# KiCad board chromogram.kicad_pcb
title: ClockFOUR; company: WyoLum; note: www.wyolum.com; note: David Pincus
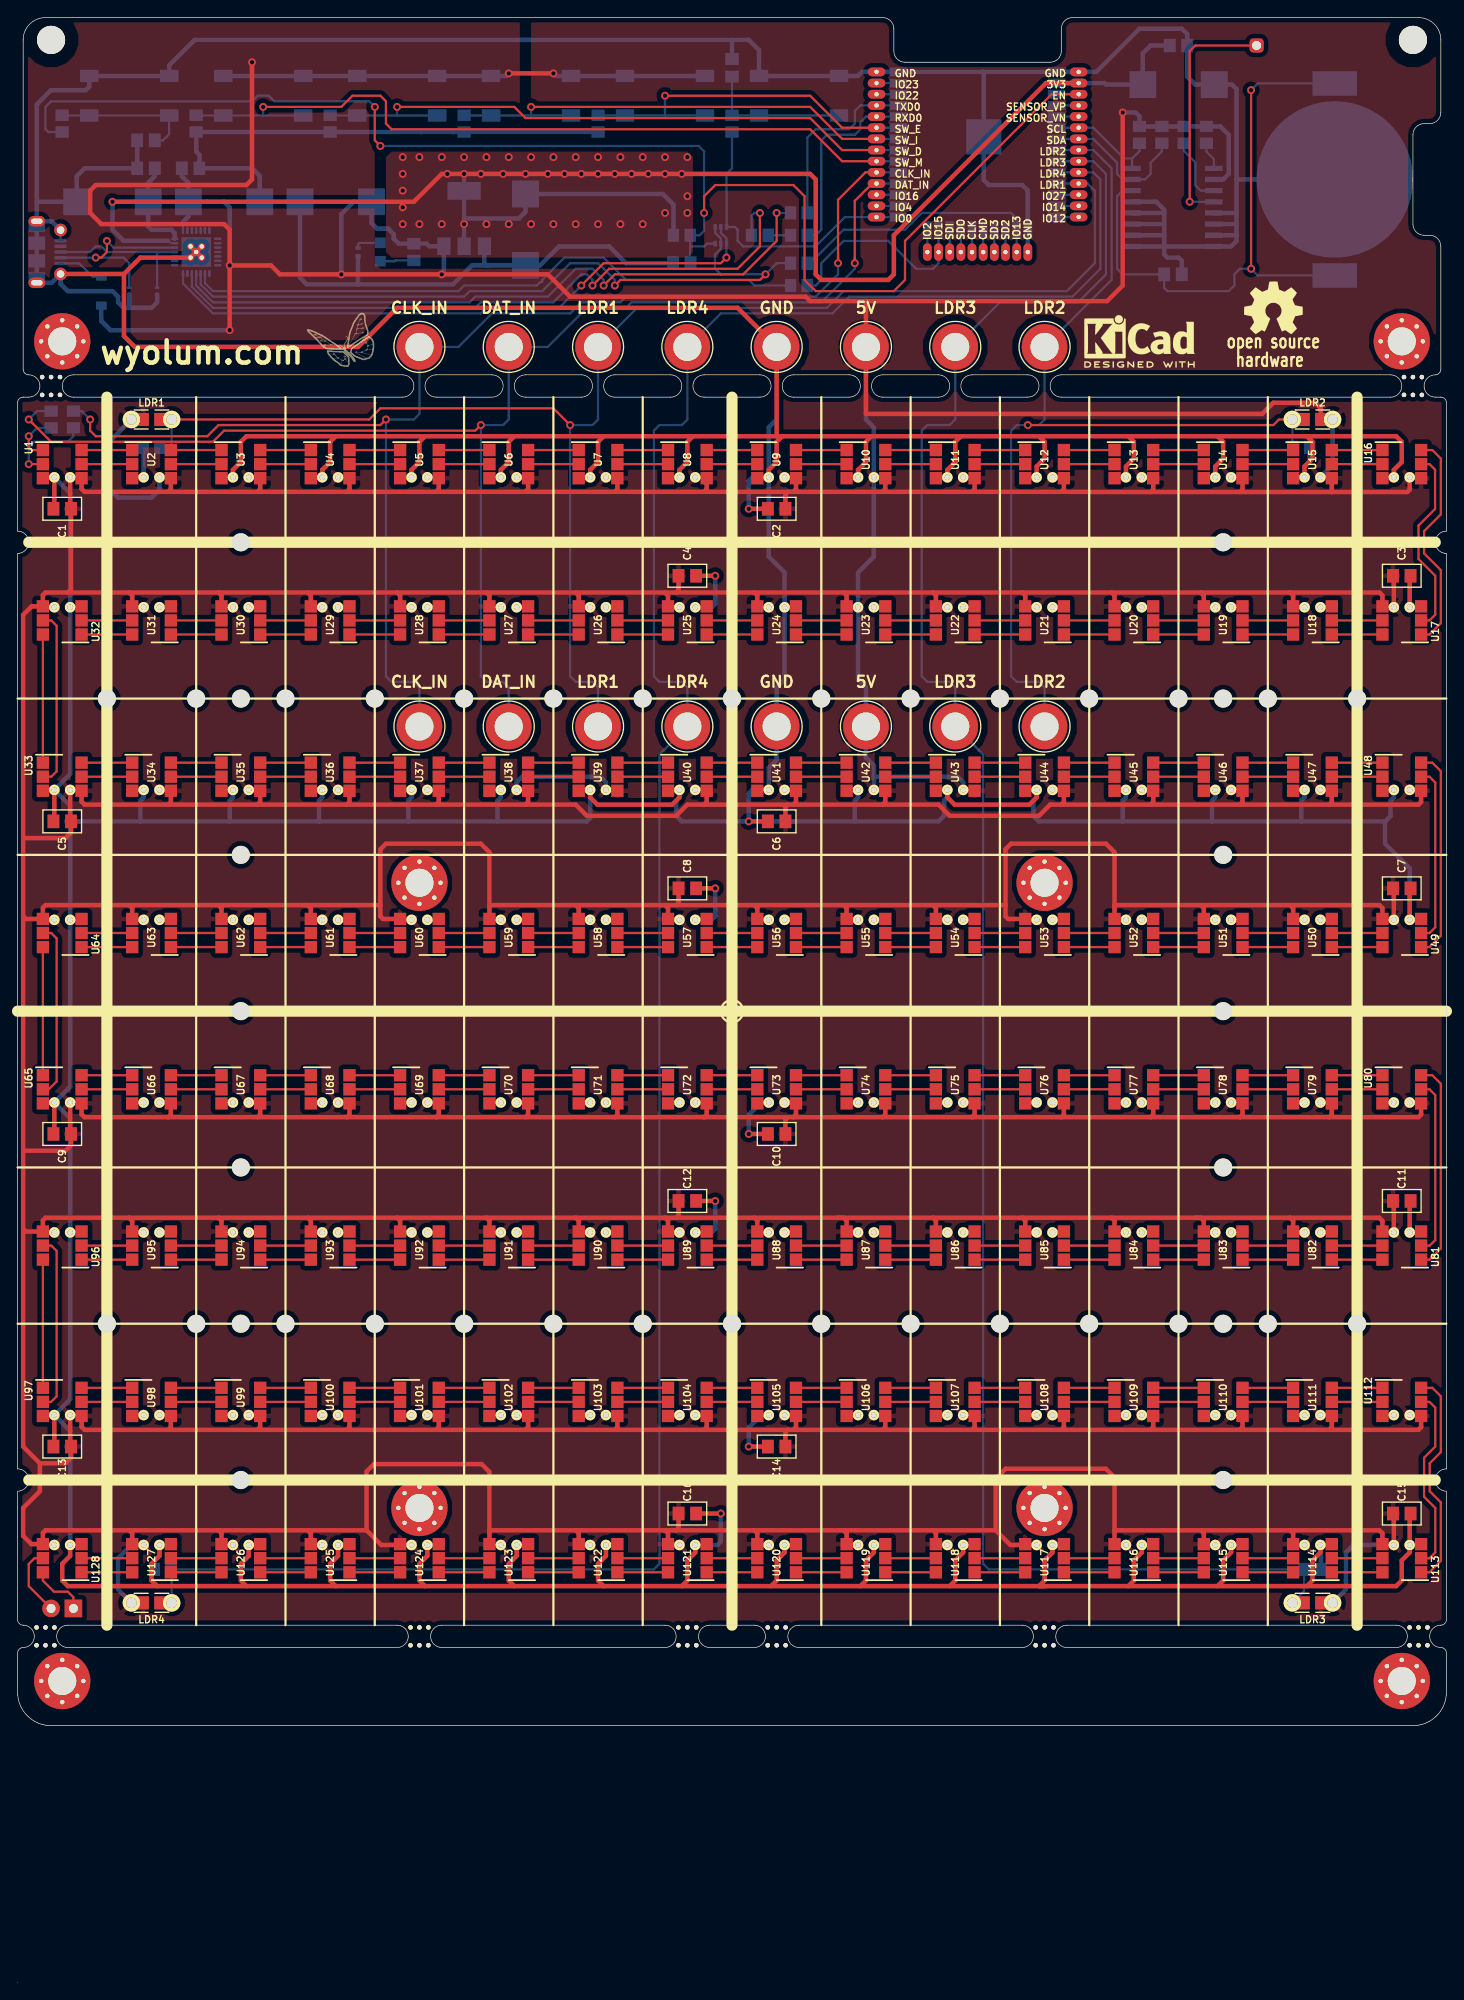
[diagram p0: board, top side]
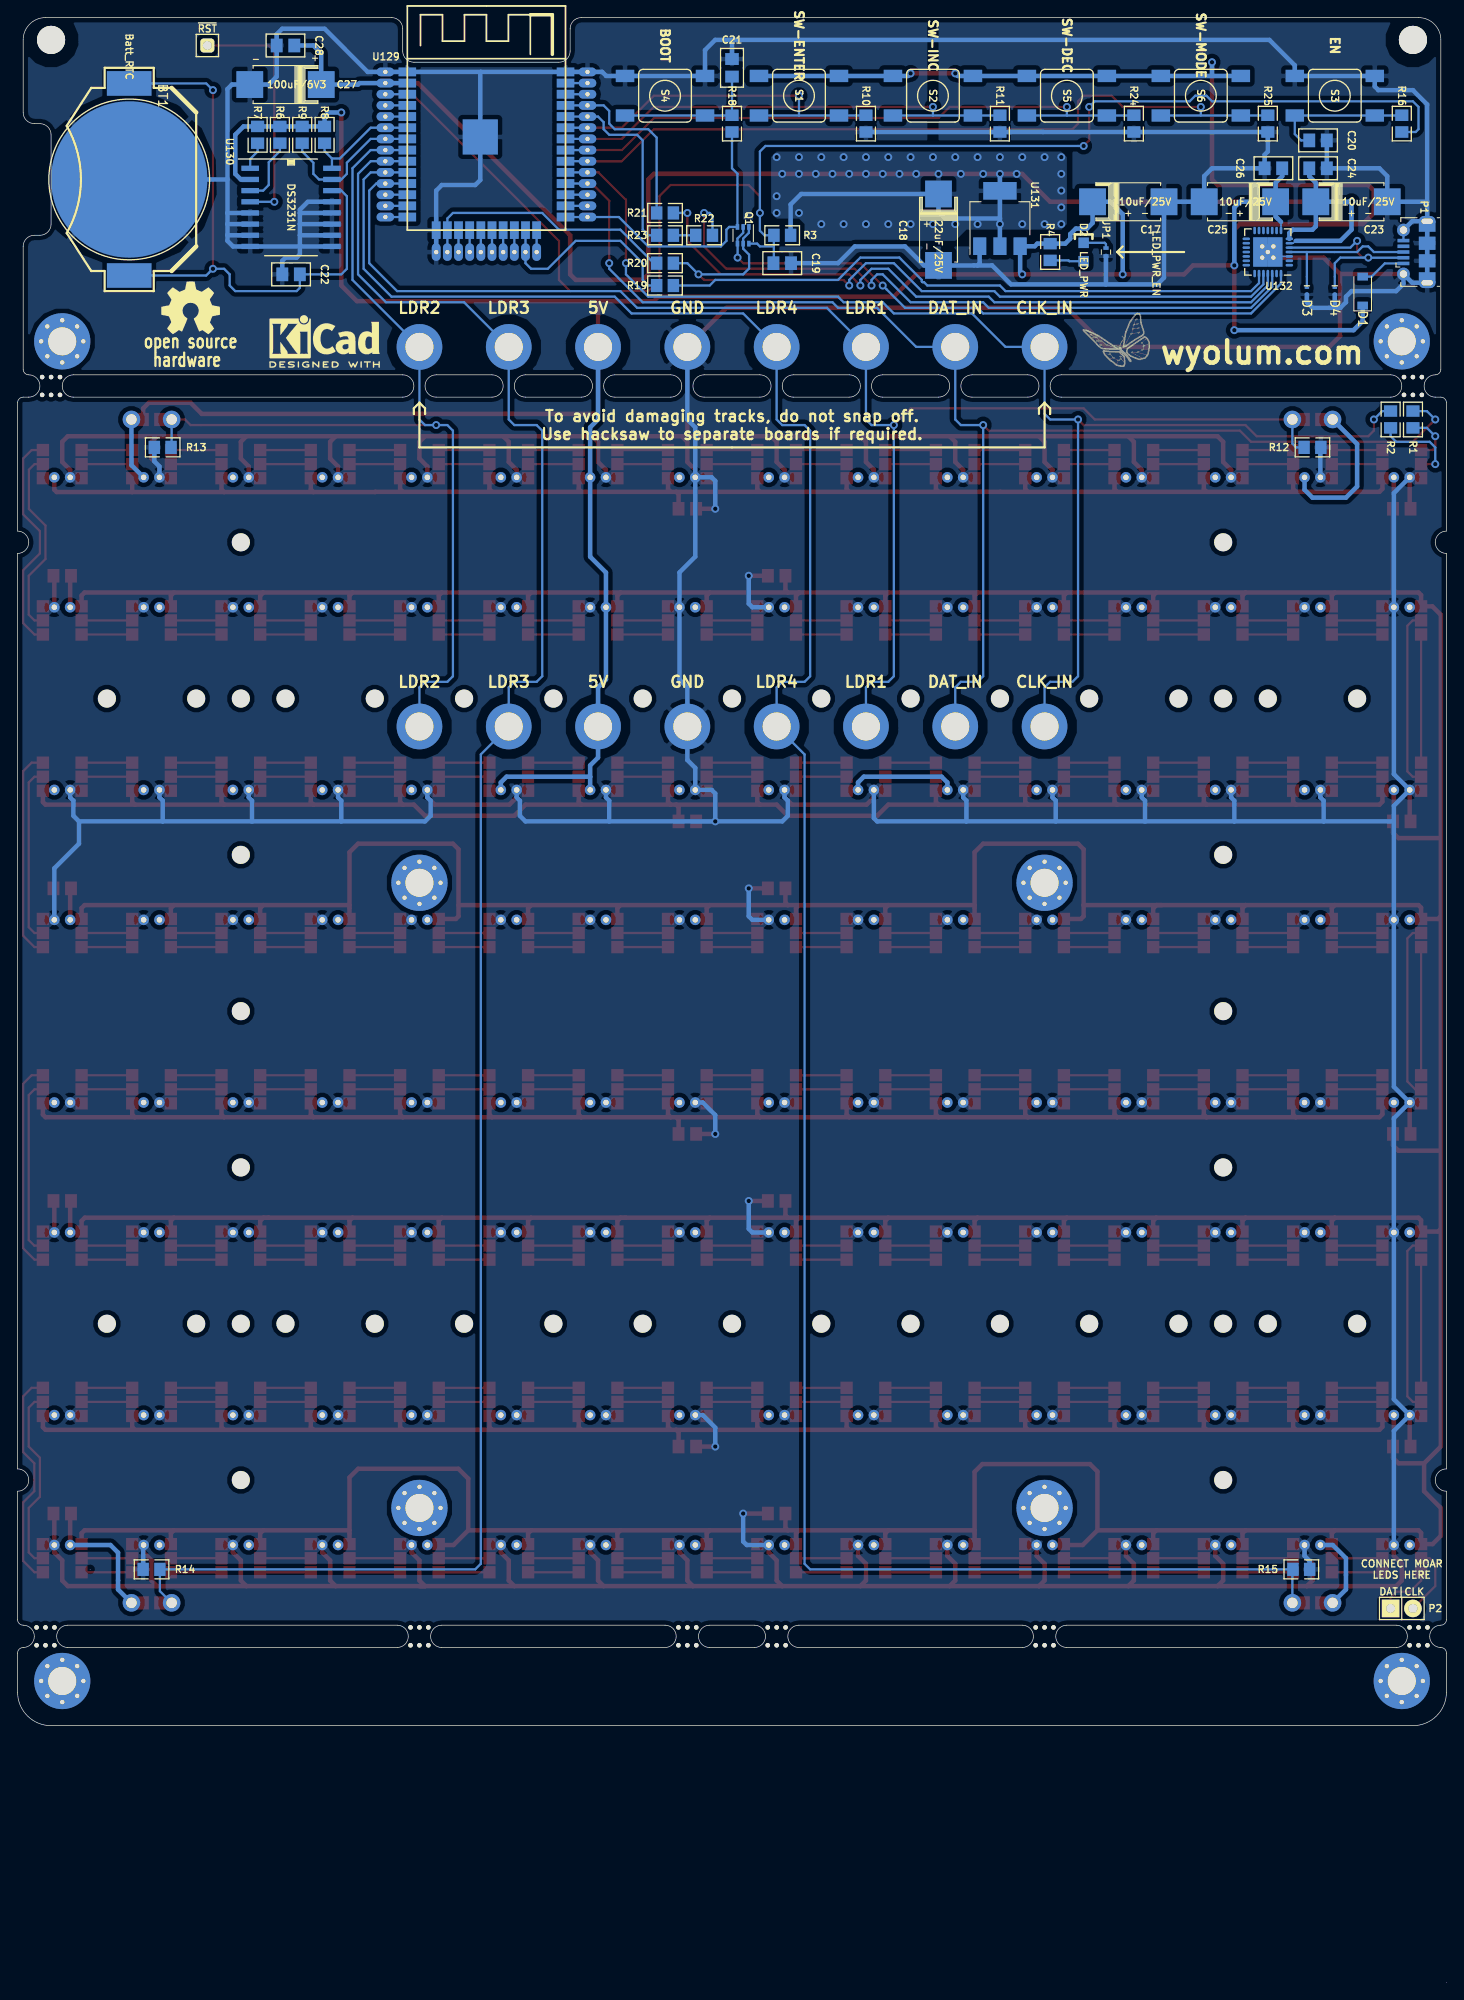
[diagram p1: board, bottom side, seen from below]

Outline 162.56 x 223.52 mm; copper layers: Top, Bottom. Coordinates in mm from the lower left corner of the outline.
Outline path: 0,179.7 arc(0.19,180.15) 0.63,180.34 1.27,180.34 arc(2.54,181.61) 1.27,182.88 arc(0.82,183.07) 0.63,183.51 0.63,220.98 arc(1.38,222.78) 3.18,223.52 98.43,223.52 arc(99.32,223.15) 99.7,222.25 99.7,219.71 arc(100.07,218.81) 100.97,218.44 117.47,218.44 arc(118.37,218.81) 118.75,219.71 118.75,222.25 arc(119.12,223.15) 120.02,223.52 159.39,223.52 arc(161.18,222.78) 161.93,220.98 161.93,212.72 arc(161.55,211.83) 160.66,211.45 160.02,211.45 arc(159.12,211.08) 158.75,210.19 158.75,200.02 arc(159.12,199.13) 160.02,198.75 160.66,198.75 arc(161.55,198.38) 161.93,197.49 161.93,183.51 arc(161.74,183.07) 161.29,182.88 arc(160.02,181.61) 161.29,180.34 161.93,180.34 arc(162.37,180.15) 162.56,179.7 162.56,165.1 arc(161.29,163.83) 162.56,162.56 162.56,58.42 arc(161.29,57.15) 162.56,55.88 162.56,41.28 arc(162.37,40.83) 161.93,40.64 arc(160.66,39.37) 161.93,38.1 arc(162.37,37.91) 162.56,37.47 162.56,33.02 arc(161.44,30.33) 158.75,29.21 3.81,29.21 arc(1.12,30.33) 0,33.02 0,37.47 arc(0.19,37.91) 0.63,38.1 arc(1.91,39.37) 0.63,40.64 arc(0.19,40.83) 0,41.28 0,55.88 arc(1.27,57.15) 0,58.42 0,162.56 arc(1.27,163.83) 0,165.1 0,179.7 ; 5.72,40.64 43.18,40.64 arc(44.45,39.37) 43.18,38.1 5.72,38.1 arc(4.45,39.37) 5.72,40.64 ; 6.35,182.88 43.82,182.88 arc(45.09,181.61) 43.82,180.34 6.35,180.34 arc(5.08,181.61) 6.35,182.88 ; 47.63,182.88 53.98,182.88 arc(55.24,181.61) 53.98,180.34 47.63,180.34 arc(46.35,181.61) 47.63,182.88 ; 48.26,40.64 73.66,40.64 arc(74.93,39.37) 73.66,38.1 48.26,38.1 arc(46.99,39.37) 48.26,40.64 ; 57.79,182.88 64.13,182.88 arc(65.41,181.61) 64.13,180.34 57.79,180.34 arc(56.52,181.61) 57.79,182.88 ; 67.94,182.88 74.29,182.88 arc(75.56,181.61) 74.29,180.34 67.94,180.34 arc(66.68,181.61) 67.94,182.88 ; 78.11,182.88 84.46,182.88 arc(85.72,181.61) 84.46,180.34 78.11,180.34 arc(76.84,181.61) 78.11,182.88 ; 78.74,40.64 83.82,40.64 arc(85.09,39.37) 83.82,38.1 78.74,38.1 arc(77.47,39.37) 78.74,40.64 ; 88.27,182.88 94.62,182.88 arc(95.89,181.61) 94.62,180.34 88.27,180.34 arc(87,181.61) 88.27,182.88 ; 88.9,40.64 114.3,40.64 arc(115.57,39.37) 114.3,38.1 88.9,38.1 arc(87.63,39.37) 88.9,40.64 ; 98.43,180.34 arc(97.16,181.61) 98.43,182.88 104.78,182.88 arc(106.05,181.61) 104.78,180.34 98.43,180.34 ; 108.59,182.88 114.94,182.88 arc(116.21,181.61) 114.94,180.34 108.59,180.34 arc(107.31,181.61) 108.59,182.88 ; 118.75,180.34 arc(117.47,181.61) 118.75,182.88 156.21,182.88 arc(157.48,181.61) 156.21,180.34 118.75,180.34 ; 119.38,38.1 arc(118.11,39.37) 119.38,40.64 156.84,40.64 arc(158.12,39.37) 156.84,38.1 119.38,38.1

## Placement (name value [footprint] x y rotation side)
BITE1  Mouse_Bite  [mouse-bite-2.54mm-slot_OSH]  3.81 181.61 0 top
BITE2  Mouse_Bite  [mouse-bite-2.54mm-slot_OSH]  158.75 181.61 0 top
BITE3  Mouse_Bite  [mouse-bite-2.54mm-slot_OSH]  3.18 39.37 0 top
BITE4  Mouse_Bite  [mouse-bite-2.54mm-slot_OSH]  45.72 39.37 0 top
BITE5  Mouse_Bite  [mouse-bite-2.54mm-slot_OSH]  76.2 39.37 0 top
BITE6  Mouse_Bite  [mouse-bite-2.54mm-slot_OSH]  86.36 39.37 0 top
BITE7  Mouse_Bite  [mouse-bite-2.54mm-slot_OSH]  116.84 39.37 0 top
BITE8  Mouse_Bite  [mouse-bite-2.54mm-slot_OSH]  159.39 39.37 0 top
BT1  Batt_RTC  [CR2032_SMD2]  149.86 205.1 90 bottom
C1  100nF  [c_0805]  5.08 167.64 90 top
C2  100nF  [c_0805]  86.36 167.64 90 top
C3  100nF  [c_0805]  157.48 160.02 270 top
C4  100nF  [c_0805]  76.2 160.02 270 top
C5  100nF  [c_0805]  5.08 132.08 90 top
C6  100nF  [c_0805]  86.36 132.08 90 top
C7  100nF  [c_0805]  157.48 124.46 270 top
C8  100nF  [c_0805]  76.2 124.46 270 top
C9  100nF  [c_0805]  5.08 96.52 90 top
C10  100nF  [c_0805]  86.36 96.52 90 top
C11  100nF  [c_0805]  157.48 88.9 270 top
C12  100nF  [c_0805]  76.2 88.9 270 top
C13  100nF  [c_0805]  5.08 60.96 90 top
C14  100nF  [c_0805]  86.36 60.96 90 top
C15  100nF  [c_0805]  157.48 53.34 270 top
C16  100nF  [c_0805]  76.2 53.34 270 top
C17  10uF/25V  [c_2917]  36.2 202.56 0 bottom
C18  22uF/25V  [c_2917]  57.79 199.39 90 bottom
C19  1nF  [c_0805]  75.56 195.58 90 bottom
C20  1nF  [c_0805]  14.6 209.55 90 bottom
C21  1nF  [c_0805]  81.28 217.81 0 bottom
C22  100nF  [c_0805]  131.45 194.31 270 bottom
C23  10uF/25V  [c_2917]  10.8 202.56 0 bottom
C24  100nF  [c_0805]  14.6 206.38 90 bottom
C25  10uF/25V  [c_2917]  23.49 202.56 180 bottom
C26  100nF  [c_0805]  19.68 206.38 270 bottom
C27  100uF/6V3  [c_2917]  132.08 215.9 180 bottom
C28  1uF/10V  [c_0805]  132.08 220.34 270 bottom
D1  1N5819  [D_SOD-123]  9.52 192.4 90 bottom
D2  LED_PWR  [LED-0805]  41.27 196.85 90 bottom
D3  VESD05A1B  [D_LLP1006-2L]  15.88 192.4 90 bottom
D4  VESD05A1B  [D_LLP1006-2L]  12.7 192.4 90 bottom
G1  LOGO_WL  [Logo-WL3]  42.54 190.5 180 bottom
G2  KiCad  [KiCad-Logo2_6mm_SilkScreen]  127.64 186.69 180 bottom
G3  OSHW  [OSHW_6mm]  142.88 190.5 180 bottom
G4  LOGO_WL  [Logo-WL3]  31.75 190.5 0 top
G5  KiCad  [KiCad-Logo2_6mm_SilkScreen]  127.64 186.69 0 top
G6  OSHW  [OSHW_6mm]  142.88 190.5 0 top
HB1  hole_baffle  [hole_baffle_2mm]  10.16 146.05 0 top
HB2  hole_baffle  [hole_baffle_2mm]  20.32 146.05 0 top
HB3  hole_baffle  [hole_baffle_2mm]  30.48 146.05 0 top
HB4  hole_baffle  [hole_baffle_2mm]  40.64 146.05 0 top
HB5  hole_baffle  [hole_baffle_2mm]  50.8 146.05 0 top
HB6  hole_baffle  [hole_baffle_2mm]  60.96 146.05 0 top
HB7  hole_baffle  [hole_baffle_2mm]  71.12 146.05 0 top
HB8  hole_baffle  [hole_baffle_2mm]  81.28 146.05 0 top
HB9  hole_baffle  [hole_baffle_2mm]  91.44 146.05 0 top
HB10  hole_baffle  [hole_baffle_2mm]  101.6 146.05 0 top
HB11  hole_baffle  [hole_baffle_2mm]  111.76 146.05 0 top
HB12  hole_baffle  [hole_baffle_2mm]  121.92 146.05 0 top
HB13  hole_baffle  [hole_baffle_2mm]  132.08 146.05 0 top
HB14  hole_baffle  [hole_baffle_2mm]  142.24 146.05 0 top
HB15  hole_baffle  [hole_baffle_2mm]  152.4 146.05 0 top
HB16  hole_baffle  [hole_baffle_2mm]  10.16 74.93 0 top
HB17  hole_baffle  [hole_baffle_2mm]  20.32 74.93 0 top
HB18  hole_baffle  [hole_baffle_2mm]  30.48 74.93 0 top
HB19  hole_baffle  [hole_baffle_2mm]  40.64 74.93 0 top
HB20  hole_baffle  [hole_baffle_2mm]  50.8 74.93 0 top
HB21  hole_baffle  [hole_baffle_2mm]  60.96 74.93 0 top
HB22  hole_baffle  [hole_baffle_2mm]  71.12 74.93 0 top
HB23  hole_baffle  [hole_baffle_2mm]  81.28 74.93 0 top
HB24  hole_baffle  [hole_baffle_2mm]  91.44 74.93 0 top
HB25  hole_baffle  [hole_baffle_2mm]  101.6 74.93 0 top
HB26  hole_baffle  [hole_baffle_2mm]  111.76 74.93 0 top
HB27  hole_baffle  [hole_baffle_2mm]  121.92 74.93 0 top
HB28  hole_baffle  [hole_baffle_2mm]  132.08 74.93 0 top
HB29  hole_baffle  [hole_baffle_2mm]  142.24 74.93 0 top
HB30  hole_baffle  [hole_baffle_2mm]  152.4 74.93 0 top
HB31  hole_baffle  [hole_baffle_2mm]  25.4 163.83 0 top
HB32  hole_baffle  [hole_baffle_2mm]  25.4 146.05 0 top
HB33  hole_baffle  [hole_baffle_2mm]  25.4 128.27 0 top
HB34  hole_baffle  [hole_baffle_2mm]  25.4 110.49 0 top
HB35  hole_baffle  [hole_baffle_2mm]  25.4 92.71 0 top
HB36  hole_baffle  [hole_baffle_2mm]  25.4 74.93 0 top
HB37  hole_baffle  [hole_baffle_2mm]  25.4 57.15 0 top
HB38  hole_baffle  [hole_baffle_2mm]  137.16 163.83 0 top
HB39  hole_baffle  [hole_baffle_2mm]  137.16 146.05 0 top
HB40  hole_baffle  [hole_baffle_2mm]  137.16 128.27 0 top
HB41  hole_baffle  [hole_baffle_2mm]  137.16 110.49 0 top
HB42  hole_baffle  [hole_baffle_2mm]  137.16 92.71 0 top
HB43  hole_baffle  [hole_baffle_2mm]  137.16 74.93 0 top
HB44  hole_baffle  [hole_baffle_2mm]  137.16 57.15 0 top
HB45  mtg_hole_3mm_small  [MountingHole_3.2mm_M3]  3.81 220.98 0 top
HB46  mtg_hole_3mm_small  [MountingHole_3.2mm_M3]  158.75 220.98 0 top
HB47  mtg_hole_3mm  [MountingHole_3.2mm_M3_Pad_Via]  5.08 186.69 0 top
HB48  mtg_hole_3mm  [MountingHole_3.2mm_M3_Pad_Via]  157.48 186.69 0 top
HB49  mtg_hole_3mm  [MountingHole_3.2mm_M3_Pad_Via]  5.08 34.29 0 top
HB50  mtg_hole_3mm  [MountingHole_3.2mm_M3_Pad_Via]  157.48 34.29 0 top
HB51  mtg_hole_3mm  [MountingHole_3.2mm_M3_Pad_Via]  45.72 125.09 0 top
HB52  mtg_hole_3mm  [MountingHole_3.2mm_M3_Pad_Via]  116.84 125.09 0 top
HB53  mtg_hole_3mm  [MountingHole_3.2mm_M3_Pad_Via]  116.84 53.97 0 top
HB54  mtg_hole_3mm  [MountingHole_3.2mm_M3_Pad_Via]  45.72 53.97 0 top
J1  CLK_IN  [1pin]  45.72 186.06 0 top
J2  DAT_IN  [1pin]  55.88 186.06 0 top
J3  LDR1  [1pin]  66.04 186.06 0 top
J4  LDR2  [1pin]  116.84 186.06 0 top
J5  LDR3  [1pin]  106.68 186.06 0 top
J6  LDR4  [1pin]  76.2 186.06 0 top
J7  5V  [1pin]  96.52 186.06 0 top
J8  GND  [1pin]  86.36 186.06 0 top
J9  CLK_IN  [1pin]  45.72 142.88 0 top
J10  DAT_IN  [1pin]  55.88 142.88 0 top
J11  LDR1  [1pin]  66.04 142.88 0 top
J12  LDR2  [1pin]  116.84 142.88 0 top
J13  LDR3  [1pin]  106.68 142.88 0 top
J14  LDR4  [1pin]  76.2 142.88 0 top
J15  5V  [1pin]  96.52 142.88 0 top
J16  GND  [1pin]  86.36 142.88 0 top
JP1  LED_PWR_EN  [R_0402]  38.74 196.85 90 bottom
LDR1  LDR  [r_0805_ldr]  15.24 177.8 180 top
LDR2  LDR  [r_0805_ldr]  147.32 177.8 0 top
LDR3  LDR  [r_0805_ldr]  147.32 43.18 0 top
LDR4  LDR  [r_0805_ldr]  15.24 43.18 180 top
P1  USB_micro  [USB_Micro-B_Molex-105017-0001]  2.54 196.85 90 bottom
P2  OUT_CLK_DAT  [Pin_Header_Straight_1x02]  5.08 42.54 180 bottom
Q1  DDC114TU  [SOT-363_SC-70-6]  80.01 198.75 270 bottom
R1  470R  [r_0805]  3.81 177.8 90 bottom
R2  470R  [r_0805]  6.35 177.8 90 bottom
R3  10k  [r_0805]  75.56 198.75 180 bottom
R4  1k  [r_0805]  45.09 196.85 90 bottom
R6  10k  [r_0805]  132.72 210.19 90 bottom
R7  10k  [r_0805]  135.25 210.19 90 bottom
R8  4K7  [r_0805]  127.64 210.19 90 bottom
R9  4K7  [r_0805]  130.18 210.19 90 bottom
R10  10k  [r_0805]  66.04 211.45 90 bottom
R11  10k  [r_0805]  50.8 211.45 90 bottom
R12  10k  [r_0805]  15.24 174.62 0 bottom
R13  10k  [r_0805]  146.05 174.62 180 bottom
R14  10k  [r_0805]  147.32 46.99 180 bottom
R15  10k  [r_0805]  16.51 46.99 0 bottom
R16  470R  [r_0805]  5.08 211.45 270 bottom
R18  470R  [r_0805]  81.28 211.45 270 bottom
R19  0R NC  [r_0805]  88.9 193.04 0 bottom
R20  0R NC  [r_0805]  88.9 195.58 0 bottom
R21  0R  [r_0805]  88.9 201.29 0 bottom
R22  470R  [r_0805]  84.46 198.75 0 bottom
R23  0R  [r_0805]  88.9 198.75 0 bottom
R24  10k  [r_0805]  35.56 211.45 90 bottom
R25  10k  [r_0805]  20.32 211.45 90 bottom
S1  SW-ENTER  [SW_SMD]  73.66 214.63 270 bottom
S2  SW-INC  [SW_SMD]  58.42 214.63 270 bottom
S3  EN  [SW_SMD]  12.7 214.63 90 bottom
S4  BOOT  [SW_SMD]  88.9 214.63 90 bottom
S5  SW-DEC  [SW_SMD]  43.18 214.63 270 bottom
S6  SW-MODE  [SW_SMD]  27.94 214.63 270 bottom
TP1  ~{RST}  [BreakOutPad]  140.97 220.34 0 bottom
U1  -  [APA102]  5.08 172.72 270 top
U2  -  [APA102]  15.24 172.72 270 top
U3  -  [APA102]  25.4 172.72 270 top
U4  -  [APA102]  35.56 172.72 270 top
U5  -  [APA102]  45.72 172.72 270 top
U6  -  [APA102]  55.88 172.72 270 top
U7  -  [APA102]  66.04 172.72 270 top
U8  -  [APA102]  76.2 172.72 270 top
U9  -  [APA102]  86.36 172.72 270 top
U10  -  [APA102]  96.52 172.72 270 top
U11  -  [APA102]  106.68 172.72 270 top
U12  -  [APA102]  116.84 172.72 270 top
U13  -  [APA102]  127 172.72 270 top
U14  -  [APA102]  137.16 172.72 270 top
U15  -  [APA102]  147.32 172.72 270 top
U16  -  [APA102]  157.48 172.72 270 top
U17  -  [APA102]  157.48 154.94 90 top
U18  -  [APA102]  147.32 154.94 90 top
U19  -  [APA102]  137.16 154.94 90 top
U20  -  [APA102]  127 154.94 90 top
U21  -  [APA102]  116.84 154.94 90 top
U22  -  [APA102]  106.68 154.94 90 top
U23  -  [APA102]  96.52 154.94 90 top
U24  -  [APA102]  86.36 154.94 90 top
U25  -  [APA102]  76.2 154.94 90 top
U26  -  [APA102]  66.04 154.94 90 top
U27  -  [APA102]  55.88 154.94 90 top
U28  -  [APA102]  45.72 154.94 90 top
U29  -  [APA102]  35.56 154.94 90 top
U30  -  [APA102]  25.4 154.94 90 top
U31  -  [APA102]  15.24 154.94 90 top
U32  -  [APA102]  5.08 154.94 90 top
U33  -  [APA102]  5.08 137.16 270 top
U34  -  [APA102]  15.24 137.16 270 top
U35  -  [APA102]  25.4 137.16 270 top
U36  -  [APA102]  35.56 137.16 270 top
U37  -  [APA102]  45.72 137.16 270 top
U38  -  [APA102]  55.88 137.16 270 top
U39  -  [APA102]  66.04 137.16 270 top
U40  -  [APA102]  76.2 137.16 270 top
U41  -  [APA102]  86.36 137.16 270 top
U42  -  [APA102]  96.52 137.16 270 top
U43  -  [APA102]  106.68 137.16 270 top
U44  -  [APA102]  116.84 137.16 270 top
U45  -  [APA102]  127 137.16 270 top
U46  -  [APA102]  137.16 137.16 270 top
U47  -  [APA102]  147.32 137.16 270 top
U48  -  [APA102]  157.48 137.16 270 top
U49  -  [APA102]  157.48 119.38 90 top
U50  -  [APA102]  147.32 119.38 90 top
U51  -  [APA102]  137.16 119.38 90 top
U52  -  [APA102]  127 119.38 90 top
U53  -  [APA102]  116.84 119.38 90 top
U54  -  [APA102]  106.68 119.38 90 top
U55  -  [APA102]  96.52 119.38 90 top
U56  -  [APA102]  86.36 119.38 90 top
U57  -  [APA102]  76.2 119.38 90 top
U58  -  [APA102]  66.04 119.38 90 top
U59  -  [APA102]  55.88 119.38 90 top
U60  -  [APA102]  45.72 119.38 90 top
U61  -  [APA102]  35.56 119.38 90 top
U62  -  [APA102]  25.4 119.38 90 top
U63  -  [APA102]  15.24 119.38 90 top
U64  -  [APA102]  5.08 119.38 90 top
U65  -  [APA102]  5.08 101.6 270 top
U66  -  [APA102]  15.24 101.6 270 top
U67  -  [APA102]  25.4 101.6 270 top
U68  -  [APA102]  35.56 101.6 270 top
U69  -  [APA102]  45.72 101.6 270 top
U70  -  [APA102]  55.88 101.6 270 top
U71  -  [APA102]  66.04 101.6 270 top
U72  -  [APA102]  76.2 101.6 270 top
U73  -  [APA102]  86.36 101.6 270 top
U74  -  [APA102]  96.52 101.6 270 top
U75  -  [APA102]  106.68 101.6 270 top
U76  -  [APA102]  116.84 101.6 270 top
U77  -  [APA102]  127 101.6 270 top
U78  -  [APA102]  137.16 101.6 270 top
U79  -  [APA102]  147.32 101.6 270 top
U80  -  [APA102]  157.48 101.6 270 top
U81  -  [APA102]  157.48 83.82 90 top
U82  -  [APA102]  147.32 83.82 90 top
U83  -  [APA102]  137.16 83.82 90 top
U84  -  [APA102]  127 83.82 90 top
U85  -  [APA102]  116.84 83.82 90 top
U86  -  [APA102]  106.68 83.82 90 top
U87  -  [APA102]  96.52 83.82 90 top
U88  -  [APA102]  86.36 83.82 90 top
U89  -  [APA102]  76.2 83.82 90 top
U90  -  [APA102]  66.04 83.82 90 top
U91  -  [APA102]  55.88 83.82 90 top
U92  -  [APA102]  45.72 83.82 90 top
U93  -  [APA102]  35.56 83.82 90 top
U94  -  [APA102]  25.4 83.82 90 top
U95  -  [APA102]  15.24 83.82 90 top
U96  -  [APA102]  5.08 83.82 90 top
U97  -  [APA102]  5.08 66.04 270 top
U98  -  [APA102]  15.24 66.04 270 top
U99  -  [APA102]  25.4 66.04 270 top
U100  -  [APA102]  35.56 66.04 270 top
U101  -  [APA102]  45.72 66.04 270 top
U102  -  [APA102]  55.88 66.04 270 top
U103  -  [APA102]  66.04 66.04 270 top
U104  -  [APA102]  76.2 66.04 270 top
U105  -  [APA102]  86.36 66.04 270 top
U106  -  [APA102]  96.52 66.04 270 top
U107  -  [APA102]  106.68 66.04 270 top
U108  -  [APA102]  116.84 66.04 270 top
U109  -  [APA102]  127 66.04 270 top
U110  -  [APA102]  137.16 66.04 270 top
U111  -  [APA102]  147.32 66.04 270 top
U112  -  [APA102]  157.48 66.04 270 top
U113  -  [APA102]  157.48 48.26 90 top
U114  -  [APA102]  147.32 48.26 90 top
U115  -  [APA102]  137.16 48.26 90 top
U116  -  [APA102]  127 48.26 90 top
U117  -  [APA102]  116.84 48.26 90 top
U118  -  [APA102]  106.68 48.26 90 top
U119  -  [APA102]  96.52 48.26 90 top
U120  -  [APA102]  86.36 48.26 90 top
U121  -  [APA102]  76.2 48.26 90 top
U122  -  [APA102]  66.04 48.26 90 top
U123  -  [APA102]  55.88 48.26 90 top
U124  -  [APA102]  45.72 48.26 90 top
U125  -  [APA102]  35.56 48.26 90 top
U126  -  [APA102]  25.4 48.26 90 top
U127  -  [APA102]  15.24 48.26 90 top
U128  -  [APA102]  5.08 48.26 90 top
U129  ESP-wroom-32  [esp_wroom_32]  109.22 212.09 180 bottom
U130  DS3231N  [DS3231]  131.45 201.93 270 bottom
U131  1117-33  [SOT-223-3_TabPin2]  50.8 200.66 90 bottom
U132  CP2102N-A01-GQFN28  [QFN-28-1EP_5x5mm_Pitch0.5mm]  20.32 196.85 0 bottom

## Footprints (pads in the part's own frame, mm; a bottom-side part is the same pattern mirrored in y, then rotated)
1pin
  round 5.2 hole 3.2: 1(0,0)
APA102
  rect 1.4x1.4 smd: 1(-1.6,-2.2) 2(0,-2.2) 3(1.6,-2.2) 4(1.6,2.2) 5(0,2.2) 6(-1.6,2.2)
  round 1.2 hole 0.635: 3(1.5,-0.9) 4(1.5,0.9)
BreakOutPad
  rrect 1.6x1.6 hole 1.02: 1(0,0)
c_0805
  rect 1.55x1.35 smd: 1(0,1) 2(0,-1)
c_2917
  rect 3.048x3.048 smd: 1(4.064,0) 2(-4.064,0)
CR2032_SMD2
  rect 2.794x5.08 smd: 1(-10.922,0) 1(10.922,0)
  round 17.78 smd: 2(0,0)
D_LLP1006-2L
  rect 0.25x0.5 smd: 1(-0.375,0) 2(0.375,0)
D_SOD-123
  rect 0.9x1.2 smd: 1(1.65,0) 2(-1.65,0)
DS3231
  rect 0.599x1.999 smd: 1(-4.445,-4.651) 2(-3.175,-4.651) 3(-1.905,-4.651) 4(-0.635,-4.651) 5(0.635,-4.651) 6(1.905,-4.651) 7(3.175,-4.651) 8(4.445,-4.651) 9(4.445,4.651) 10(3.175,4.651) 11(1.905,4.651) 12(0.635,4.651) 13(-0.635,4.651) 14(-1.905,4.651) 15(-3.175,4.651) 16(-4.445,4.651)
esp_wroom_32
  oval 2x1 hole 0.5: 1(-11.5,5.25) 2(-11.5,3.98) 3(-11.5,2.71) 4(-11.5,1.44) 5(-11.5,0.17) 6(-11.5,-1.1) 7(-11.5,-2.37) 8(-11.5,-3.64) 9(-11.5,-4.91) 10(-11.5,-6.18) 11(-11.5,-7.45) 12(-11.5,-8.72) 13(-11.5,-9.99) 14(-11.5,-11.26) 25(11.5,-11.26) 26(11.5,-9.99) 27(11.5,-8.72) 28(11.5,-7.45) 29(11.5,-6.18) 30(11.5,-4.91) 31(11.5,-3.64) 32(11.5,-2.37) 33(11.5,-1.1) 34(11.5,0.17) 35(11.5,1.44) 36(11.5,2.71) 37(11.5,3.98) 38(11.5,5.25)
  rect 2x1 smd: 1(-9,5.25) 2(-9,3.98) 3(-9,2.71) 4(-9,1.44) 5(-9,0.17) 6(-9,-1.1) 7(-9,-2.37) 8(-9,-3.64) 9(-9,-4.91) 10(-9,-6.18) 11(-9,-7.45) 12(-9,-8.72) 13(-9,-9.99) 14(-9,-11.26) 25(9,-11.26) 26(9,-9.99) 27(9,-8.72) 28(9,-7.45) 29(9,-6.18) 30(9,-4.91) 31(9,-3.64) 32(9,-2.37) 33(9,-1.1) 34(9,0.17) 35(9,1.44) 36(9,2.71) 37(9,3.98) 38(9,5.25)
  oval 1x2 hole 0.5: 15(-5.715,-15.25) 16(-4.445,-15.25) 17(-3.175,-15.25) 18(-1.905,-15.25) 19(-0.635,-15.25) 20(0.635,-15.25) 21(1.905,-15.25) 22(3.175,-15.25) 23(4.445,-15.25) 24(5.715,-15.25)
  rect 1x2 smd: 15(-5.715,-12.75) 16(-4.445,-12.75) 17(-3.175,-12.75) 18(-1.905,-12.75) 19(-0.635,-12.75) 20(0.635,-12.75) 21(1.905,-12.75) 22(3.175,-12.75) 23(4.445,-12.75) 24(5.715,-12.75)
  rect 4x4 smd: 39(-0.7,-2.15)
hole_baffle_2mm
  round 2.083 hole 2.032 unplated: (0,0)
LED-0805
  rect 1.199x1.199 smd: 1(-1.049,0) 2(1.049,0)
MountingHole_3.2mm_M3
  round 3.2 hole 3.2 unplated: (0,0)
MountingHole_3.2mm_M3_Pad_Via
  round 0.8 hole 0.5: 1(-2.4,0) 1(-1.697,1.697) 1(-1.697,-1.697) 1(0,2.4) 1(0,-2.4) 1(1.697,1.697) 1(1.697,-1.697) 1(2.4,0)
  round 6.4 hole 3.2: 1(0,0)
mouse-bite-2.54mm-slot_OSH
  round 0.508 hole 0.508 unplated: (-1.016,1.016) (-1.016,-1.016) (0,1.016) (0,-1.016) (1.016,1.016) (1.016,-1.016)
Pin_Header_Straight_1x02
  rect 2x2 hole 1.02: 1(-1.27,0)
  oval 2x2 hole 1.02: 2(1.27,0)
QFN-28-1EP_5x5mm_Pitch0.5mm
  oval 0.85x0.3 smd: 1(-2.45,1.5) 2(-2.45,1) 3(-2.45,0.5) 4(-2.45,0) 5(-2.45,-0.5) 6(-2.45,-1) 7(-2.45,-1.5) 15(2.45,-1.5) 16(2.45,-1) 17(2.45,-0.5) 18(2.45,0) 19(2.45,0.5) 20(2.45,1) 21(2.45,1.5)
  oval 0.3x0.85 smd: 8(-1.5,-2.45) 9(-1,-2.45) 10(-0.5,-2.45) 11(0,-2.45) 12(0.5,-2.45) 13(1,-2.45) 14(1.5,-2.45) 22(1.5,2.45) 23(1,2.45) 24(0.5,2.45) 25(0,2.45) 26(-0.5,2.45) 27(-1,2.45) 28(-1.5,2.45)
  rect 1.675x1.675 smd: 29(-0.838,-0.838) 29(-0.838,0.838) 29(0.838,-0.838) 29(0.838,0.838)
  round 0.8 hole 0.5: 29(-0.635,-0.635) 29(-0.635,0.635) 29(0,0) 29(0.635,-0.635) 29(0.635,0.635)
R_0402
  rect 0.4x0.6 smd: 1(-0.45,0) 2(0.45,0)
r_0805
  rect 1.3x1.499 smd: 1(0.953,0) 2(-0.953,0)
r_0805_ldr
  rect 1.3x1.499 smd: 1(0.953,0) 2(-0.953,0)
  round 2 hole 1.2: 1(2.286,0) 2(-2.286,0)
SOT-223-3_TabPin2
  rect 2x1.5 smd: 1(-3.15,2.3) 2(-3.15,0) 3(-3.15,-2.3)
  rect 2x3.8 smd: 2(3.15,0)
SOT-363_SC-70-6
  rect 0.65x0.4 smd: 1(-0.95,0.65) 2(-0.95,0) 3(-0.95,-0.65) 4(0.95,-0.65) 5(0.95,0) 6(0.95,0.65)
SW_SMD
  rect 1.4x2.1 smd: 1(-2.25,4.55) 2(2.25,4.55) 3(-2.25,-4.55) 4(2.25,-4.55)
USB_Micro-B_Molex-105017-0001
  rect 0.4x1.35 smd: 1(-1.3,2.35) 2(-0.65,2.35) 3(0,2.35) 4(0.65,2.35) 5(1.3,2.35)
  oval 1.2x1.9 hole 0.6x1.3: 6(-3.5,-0.35) 6(3.5,-0.35)
  rect 1.2x1.9 smd: 6(-2.9,-0.35) 6(2.9,-0.35)
  round 1.45 hole 0.85: 6(-2.5,2.35) 6(2.5,2.35)
  rect 1.5x1.9 smd: 6(-1,-0.35) 6(1,-0.35)
